# Altium PCB CL-HC-M-V2.2.PcbDoc (part 13 of 18)
Units mil, origin at the board's own origin, x right, y up, seen from the top; angles counter-clockwise.
Board outline 27559.06 x 27559.06 mil, 2 copper layers (TopLayer, BottomLayer); 684 components, 528 nets, 2380 pads, 1851 vias.
Unrouted connection lines stored in the file: 1268.
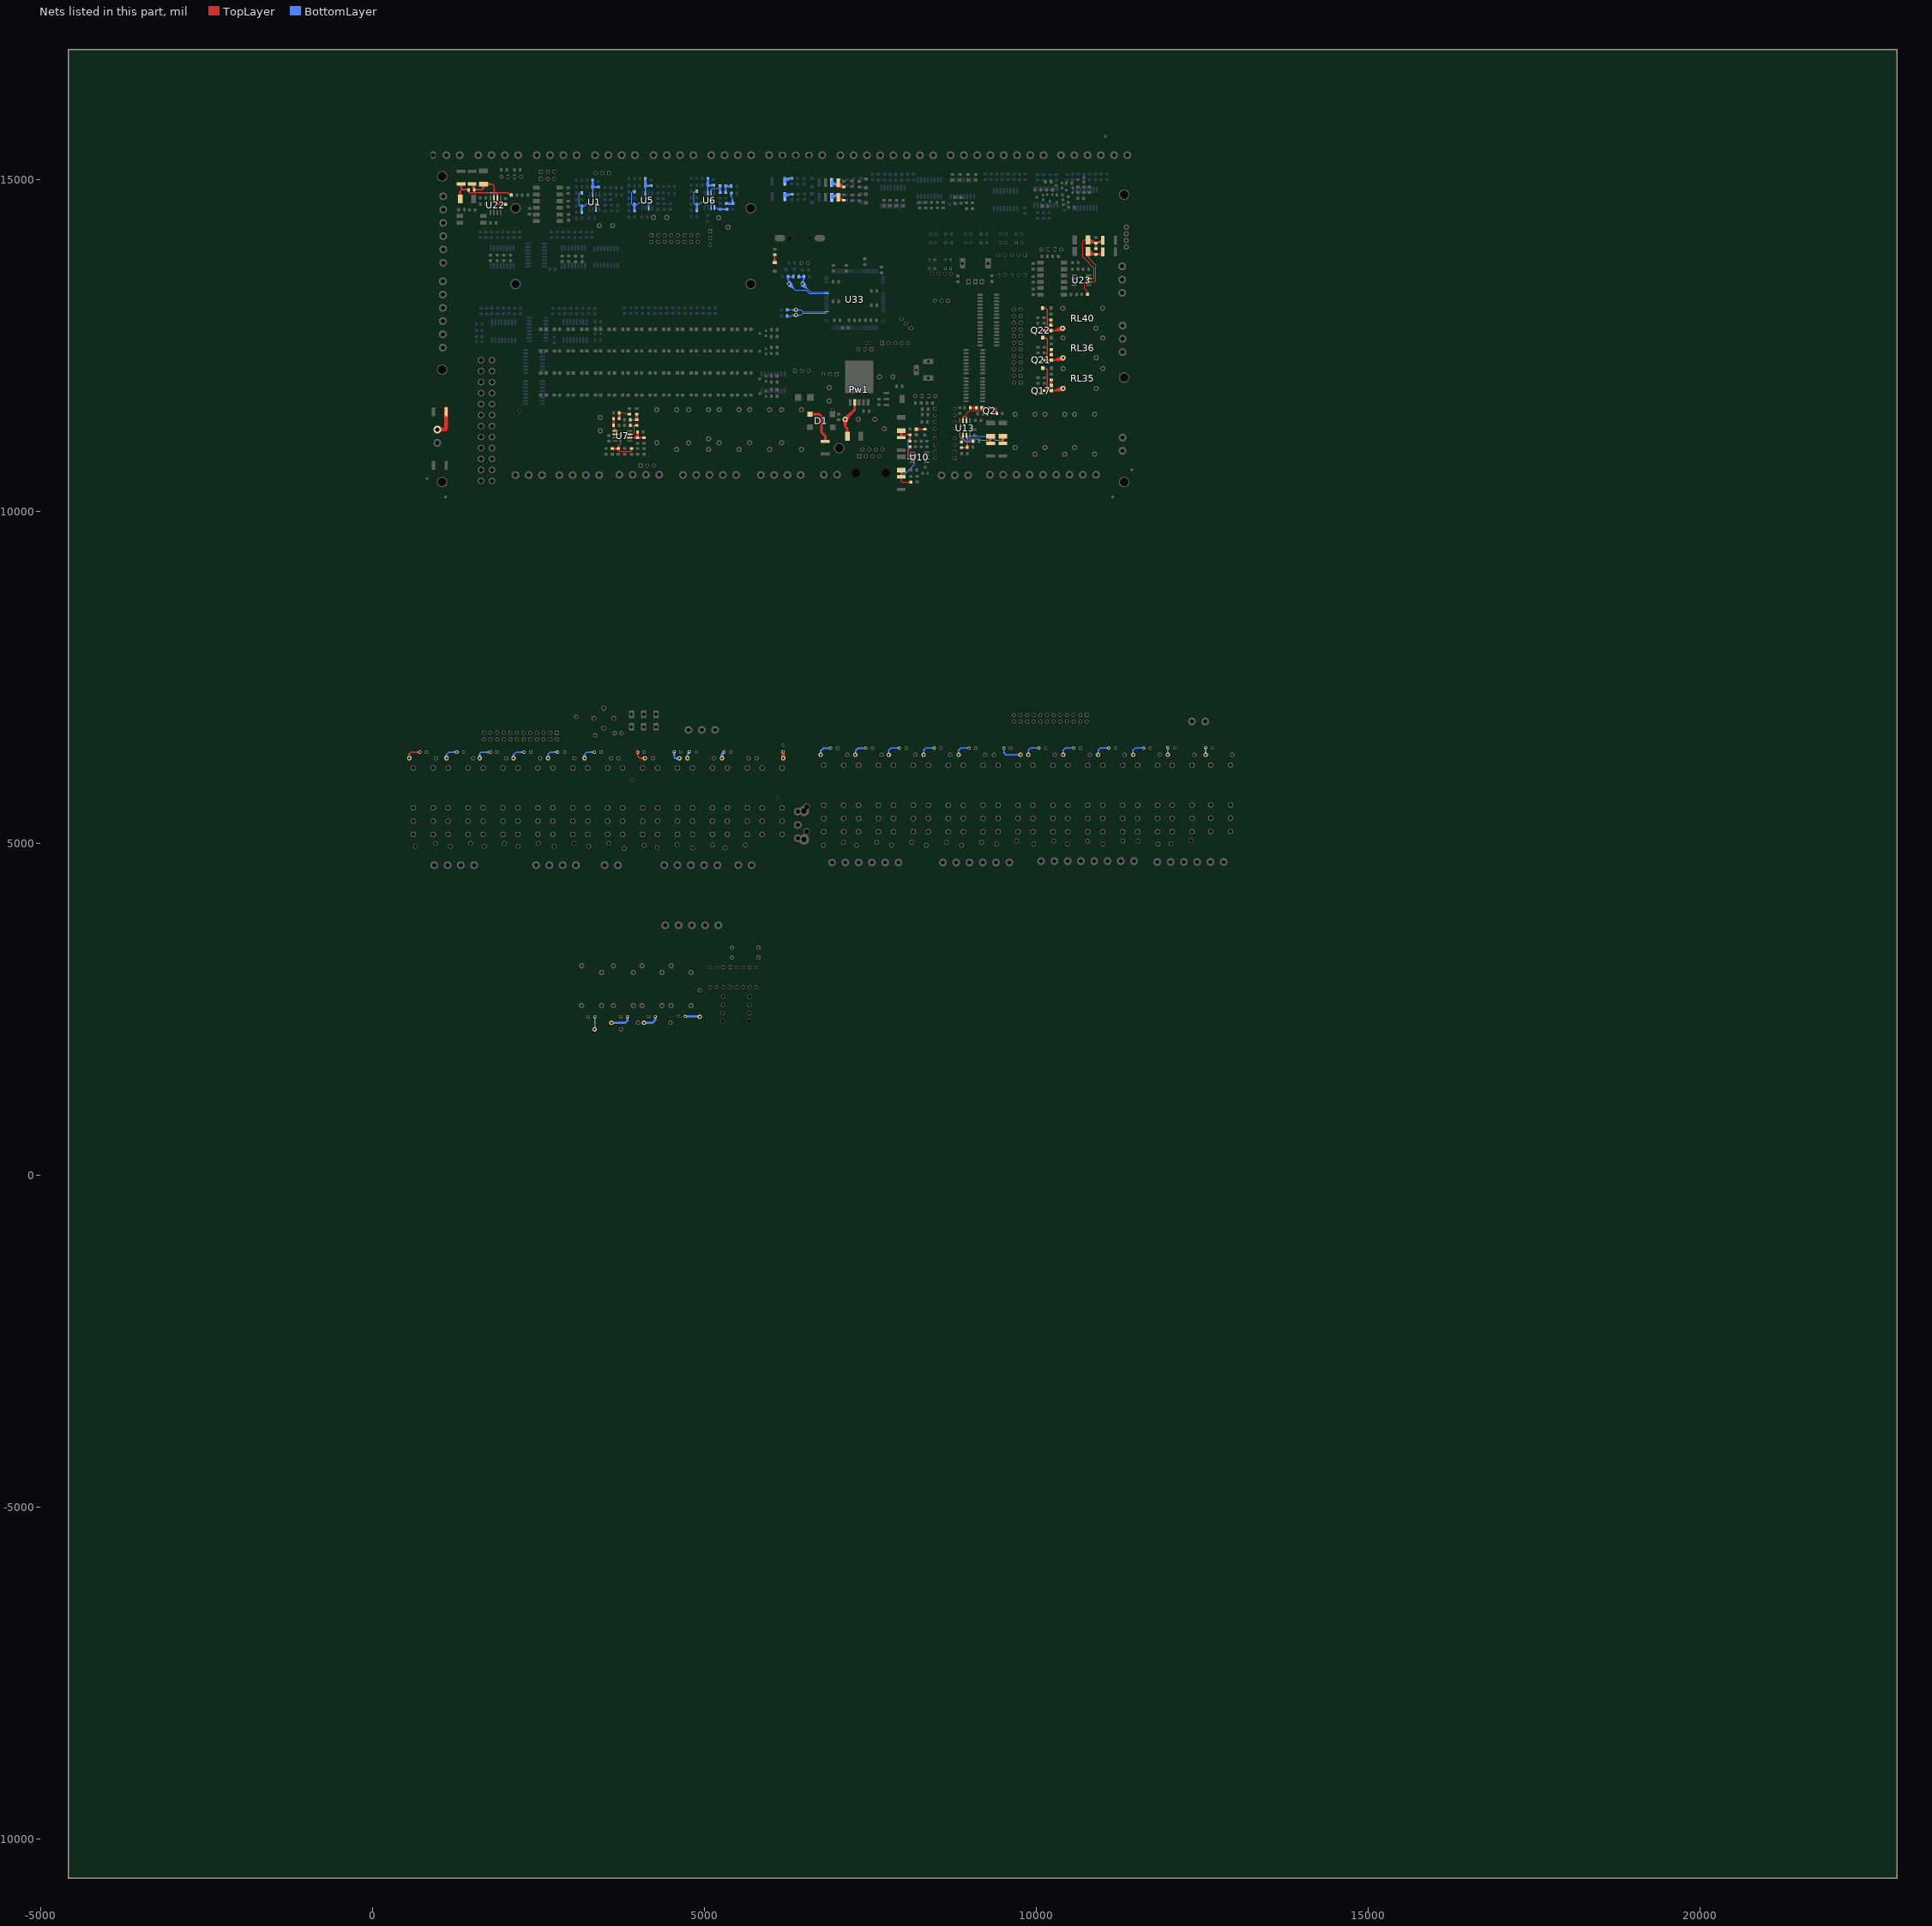
[diagram p13: the nets of this part, all layers, seen from the top]

## Via types
v1: diameter 25, hole 15, TopLayer to BottomLayer, tented both sides, 1813 vias
v2: diameter 20, hole 12, TopLayer to BottomLayer, tented both sides, 24 vias
v3: diameter 25, hole 15, TopLayer to BottomLayer, 13 vias
v4: diameter 40, hole 24, TopLayer to BottomLayer, tented both sides, 1 vias

## Nets (pads, with @x,y where several pads share a name; then routed paths per layer and width w, separated by ;. In a path a pad name is that pad's centre, name@x,y a point inside that pad or via, vN(x,y) a via of type N, cw(c..) or ccw(c..) an arc to the next point about the centre after c; other vN are vias at no path point) (continued)
NetC12_1: C12.1 R111.2 R117.1 U1.2 | length 2902.1
  BottomLayer w15: R117.1@3305.25,14895.03 3309.8,14961.09 ; R117.1@3305.3,14884.15 3317.74,14820.36 ; C12.1@3305.3,14984.15 3317.74,14920.36 ; R117.1@3305.53,14898.02 3325.69,14961.09 ; 3310.05,14859.8 U1.2@3317.74,14801.68 ; U1.2@3317.74,14773.68 R117.1@3317.74,14890.36 ; C12.1@3317.74,14985.36 3317.74,14920.36 ; C12.1@3317.74,14990.36 R117.1@3317.74,14890.36 ; R117.1@3318.03,14872.86 R111.2@3382.71,14880.61 ; R117.1@3318.03,14907.85 R111.2@3382.71,14900.1 ; R117.1@3319.84,14883.03 R111.2@3382.71,14900.1 ; R117.1@3319.84,14897.68 R111.2@3382.71,14880.61 ; 3325.43,14859.8 U1.2@3317.74,14801.68 ; R117.1@3329.95,14898.02 3309.8,14961.09 ; R117.1@3330.18,14884.15 3317.74,14820.36 ; C12.1@3330.18,14984.15 3317.74,14920.36 ; R117.1@3330.24,14895.03 3325.69,14961.09 ; R111.2@3396.54,14877.91 R117.1@3332.74,14890.36 ; R111.2@3396.54,14902.8 R117.1@3332.74,14890.36 ; R111.2@3397.74,14890.36 R117.1@3332.74,14890.36 ; R111.2@3402.74,14890.36 R117.1@3317.74,14890.36 ; R117.1@3305.64,14898.48 3317.74,14920.36 ; R117.1@3305.64,14898.48 3317.74,14920.36 ; R117.1@3305.64,14898.48 3317.74,14920.36 ; 3309.8,14961.09 R117.1@3317.74,14895.36 ; U1.2@3317.74,14801.68 3317.74,14858.68 U1.2@3317.74,14801.68 ; U1.2@3317.74,14801.68 3317.74,14820.36 ; U1.2@3317.74,14801.68 3317.74,14820.36 ; U1.2@3317.74,14801.68 3317.74,14820.36 ; 3317.74,14820.36 3317.74,14885.36 R111.2@3382.71,14880.61 ; R117.1@3317.74,14890.36 R111.2@3382.74,14890.36 ; R117.1@3317.74,14895.36 3317.74,14960.36 ; R117.1@3317.74,14895.36 3325.69,14961.09 ; R117.1@3317.74,14895.36 3317.74,14920.36 ; R117.1@3317.74,14895.36 3317.74,14920.36 ; R117.1@3317.74,14895.36 3317.74,14960.36 ; R117.1@3317.74,14895.36 3317.74,14920.36 ; R117.1@3317.74,14895.36 R111.2@3382.71,14900.1 ; 3317.74,14920.36 R117.1@3329.84,14898.48 ; 3317.74,14920.36 R117.1@3329.84,14898.48 ; 3317.74,14920.36 R117.1@3329.84,14898.48 ; 3317.74,14960.36 3305.3,14896.56 3317.74,14960.36 ; 3317.74,14960.36 3330.18,14896.56 3317.74,14960.36 ; R111.2@3382.74,14890.36 3318.94,14902.8 R111.2@3382.74,14890.36 ; R111.2@3382.74,14890.36 3318.94,14877.91 R111.2@3382.74,14890.36
NetC16_1: C16.1 R112.2 R115.1 U1.6 | length 2051.5
  TopLayer w15: v1(3270.63,14634.14) v1(3366.23,14634.14)
  BottomLayer w15: R115.1@3140.26,14598.73 C16.1@3143.18,14532.43 ; C16.1@3140.3,14517.68 R115.1@3152.74,14581.48 ; R115.1@3140.6,14595.14 C16.1@3162.31,14532.43 ; R115.1@3150.05,14590.89 3123.75,14603.1 ; R115.1@3150.05,14615.31 3123.75,14603.1 ; R112.2@3150.02,14788.16 3124.05,14800.36 ; R112.2@3150.02,14812.56 3124.05,14800.36 ; C16.1@3152.74,14511.48 R115.1@3152.74,14603.1 ; C16.1@3152.74,14516.48 R115.1@3152.74,14581.48 ; R112.2@3152.74,14800.36 3124.05,14800.36 ; R115.1@3154.66,14590.75 3193.41,14603.1 ; R115.1@3154.66,14615.45 3193.41,14603.1 ; R115.1@3164.89,14595.14 C16.1@3143.18,14532.43 ; C16.1@3165.18,14517.68 R115.1@3152.74,14581.48 ; R115.1@3165.23,14598.73 C16.1@3162.31,14532.43 ; U1.6@3367.74,14553.68 v1@3367.74,14632.63 ; U1.6@3367.74,14576.56 v1(3366.23,14634.14) ; 3123.75,14603.1 3111.31,14615.54 3111.31,14787.62 3124.05,14800.36 ; 3123.75,14603.1 R115.1@3152.74,14603.1 ; C16.1@3143.18,14532.43 R115.1@3152.74,14598.1 ; C16.1@3152.74,14533.1 3165.18,14596.9 C16.1@3152.74,14533.1 ; C16.1@3152.74,14533.1 3140.3,14596.9 C16.1@3152.74,14533.1 ; C16.1@3152.74,14533.1 R115.1@3152.74,14598.1 ; C16.1@3152.74,14533.1 R115.1@3152.74,14598.1 ; R115.1@3152.74,14598.1 C16.1@3162.31,14532.43 ; R115.1@3152.74,14603.1 3193.41,14603.1 ; 3193.41,14603.1 3224.45,14634.14 ; 3224.45,14634.14 v1(3270.63,14634.14) 3224.45,14634.14 ; v1(3366.23,14634.14) v1@3367.74,14632.63 ; v1(3366.23,14634.14) 3367.74,14581.68 v1@3367.74,14632.63
NetC17_1: C17.1 R113.2 R118.1 U5.2 | length 2902.1
  BottomLayer w15: R118.1@4098.66,14915.89 4103.21,14981.95 ; R118.1@4098.71,14905.01 4111.15,14841.22 ; C17.1@4098.71,15005.01 4111.15,14941.22 ; R118.1@4098.94,14918.88 4119.1,14981.95 ; 4103.46,14880.66 U5.2@4111.15,14822.54 ; U5.2@4111.15,14794.54 R118.1@4111.15,14911.22 ; C17.1@4111.15,15006.22 4111.15,14941.22 ; C17.1@4111.15,15011.22 R118.1@4111.15,14911.22 ; R118.1@4111.44,14893.72 R113.2@4176.13,14901.47 ; R118.1@4111.44,14928.71 R113.2@4176.13,14920.96 ; R118.1@4113.26,14903.89 R113.2@4176.13,14920.96 ; R118.1@4113.26,14918.54 R113.2@4176.13,14901.47 ; 4118.85,14880.66 U5.2@4111.15,14822.54 ; R118.1@4123.37,14918.88 4103.21,14981.95 ; R118.1@4123.6,14905.01 4111.15,14841.22 ; C17.1@4123.6,15005.01 4111.15,14941.22 ; R118.1@4123.65,14915.89 4119.1,14981.95 ; R113.2@4189.95,14898.77 R118.1@4126.15,14911.22 ; R113.2@4189.95,14923.66 R118.1@4126.15,14911.22 ; R113.2@4191.15,14911.22 R118.1@4126.15,14911.22 ; R113.2@4196.15,14911.22 R118.1@4111.15,14911.22 ; R118.1@4099.05,14919.34 4111.15,14941.22 ; R118.1@4099.05,14919.34 4111.15,14941.22 ; R118.1@4099.05,14919.34 4111.15,14941.22 ; 4103.21,14981.95 R118.1@4111.15,14916.22 ; U5.2@4111.15,14822.54 4111.15,14879.54 U5.2@4111.15,14822.54 ; U5.2@4111.15,14822.54 4111.15,14841.22 ; U5.2@4111.15,14822.54 4111.15,14841.22 ; U5.2@4111.15,14822.54 4111.15,14841.22 ; 4111.15,14841.22 4111.15,14906.22 R113.2@4176.13,14901.47 ; R118.1@4111.15,14911.22 R113.2@4176.15,14911.22 ; R118.1@4111.15,14916.22 4111.15,14981.22 ; R118.1@4111.15,14916.22 4119.1,14981.95 ; R118.1@4111.15,14916.22 4111.15,14941.22 ; R118.1@4111.15,14916.22 4111.15,14941.22 ; R118.1@4111.15,14916.22 4111.15,14981.22 ; R118.1@4111.15,14916.22 4111.15,14941.22 ; R118.1@4111.15,14916.22 R113.2@4176.13,14920.96 ; 4111.15,14941.22 R118.1@4123.26,14919.34 ; 4111.15,14941.22 R118.1@4123.26,14919.34 ; 4111.15,14941.22 R118.1@4123.26,14919.34 ; 4111.15,14981.22 4098.71,14917.42 4111.15,14981.22 ; 4111.15,14981.22 4123.6,14917.42 4111.15,14981.22 ; R113.2@4176.15,14911.22 4112.36,14923.66 R113.2@4176.15,14911.22 ; R113.2@4176.15,14911.22 4112.36,14898.77 R113.2@4176.15,14911.22
NetC18_1: C18.1 R114.2 R116.1 U5.6 | length 2051.5
  TopLayer w15: v1(4064.05,14655) v1(4159.64,14655)
  BottomLayer w15: R116.1@3933.67,14619.59 C18.1@3936.59,14553.29 ; C18.1@3933.71,14538.54 R116.1@3946.15,14602.34 ; R116.1@3934.01,14616 C18.1@3955.72,14553.29 ; R114.2@3943.43,14809.02 3917.46,14821.22 ; R114.2@3943.43,14833.42 3917.46,14821.22 ; R116.1@3943.46,14611.75 3917.16,14623.96 ; R116.1@3943.46,14636.17 3917.16,14623.96 ; C18.1@3946.15,14532.34 R116.1@3946.15,14623.96 ; C18.1@3946.15,14537.34 R116.1@3946.15,14602.34 ; R114.2@3946.15,14821.22 3917.46,14821.22 ; R116.1@3948.07,14611.61 3986.82,14623.96 ; R116.1@3948.07,14636.31 3986.82,14623.96 ; R116.1@3958.3,14616 C18.1@3936.59,14553.29 ; C18.1@3958.6,14538.54 R116.1@3946.15,14602.34 ; R116.1@3958.64,14619.59 C18.1@3955.72,14553.29 ; U5.6@4161.15,14574.54 v1@4161.15,14653.49 ; U5.6@4161.15,14597.42 v1(4159.64,14655) ; 3917.16,14623.96 3904.72,14636.4 3904.72,14808.48 3917.46,14821.22 ; 3917.16,14623.96 R116.1@3946.15,14623.96 ; C18.1@3936.59,14553.29 R116.1@3946.15,14618.96 ; C18.1@3946.15,14553.96 3958.6,14617.76 C18.1@3946.15,14553.96 ; C18.1@3946.15,14553.96 3933.71,14617.76 C18.1@3946.15,14553.96 ; C18.1@3946.15,14553.96 R116.1@3946.15,14618.96 ; C18.1@3946.15,14553.96 R116.1@3946.15,14618.96 ; R116.1@3946.15,14618.96 C18.1@3955.72,14553.29 ; R116.1@3946.15,14623.96 3986.82,14623.96 ; 3986.82,14623.96 4017.86,14655 ; 4017.86,14655 v1(4064.05,14655) 4017.86,14655 ; v1(4159.64,14655) v1@4161.15,14653.49 ; v1(4159.64,14655) 4161.15,14602.54 v1@4161.15,14653.49
NetC25_1: C25.1 R123.2 R127.1 | length 1158.8
  BottomLayer w15: C25.1@5309.42,14807.13 5321.86,14870.93 C25.1@5334.3,14807.13 ; R127.1@5309.42,14899.73 5321.86,14835.93 ; C25.1@5321.86,14805.93 R127.1@5321.86,14905.93 R123.2@5403.28,14905.93 ; R127.1@5321.86,14910.93 R123.2@5387.1,14915.45 ; R127.1@5322.19,14888.43 R123.2@5387.1,14896.41 ; R127.1@5322.19,14923.42 R123.2@5387.1,14915.45 ; R127.1@5323.07,14893.49 5386.86,14905.93 R127.1@5323.07,14918.37 ; R127.1@5323.92,14898.6 R123.2@5387.1,14915.45 ; R127.1@5323.92,14913.26 R123.2@5387.1,14896.41 ; R127.1@5334.31,14899.73 5321.86,14835.93 ; R123.2@5402.08,14893.49 5338.28,14905.93 R123.2@5402.08,14918.37 ; 5321.86,14835.93 5321.86,14900.93 R123.2@5387.1,14896.41
NetC26_1: C26.1 R124.2 R128.1 | length 1508.7
  BottomLayer w15: R128.1@5336.86,14641.78 C26.1@5426.86,14641.78 5426.86,14720.93 5406.25,14741.54 ; R128.1@5341.18,14629.3 C26.1@5407.14,14631.97 ; R128.1@5341.18,14654.26 C26.1@5407.14,14651.58 ; R128.1@5344.88,14629.65 C26.1@5407.14,14651.58 ; R128.1@5344.88,14653.91 C26.1@5407.14,14631.97 ; R124.2@5393.85,14788.51 5406.25,14741.54 ; R124.2@5406.25,14790.12 5406.25,14741.54 ; R124.2@5406.25,14795.12 5406.25,14741.54 ; C26.1@5414.42,14642.98 5426.86,14706.78 C26.1@5439.3,14642.98 ; R124.2@5418.65,14788.51 5406.25,14741.54 ; C26.1@5420.66,14629.34 R128.1@5356.86,14641.78 ; C26.1@5420.66,14654.22 R128.1@5356.86,14641.78 ; C26.1@5421.86,14641.78 R128.1@5356.86,14641.78 ; R128.1@5341.86,14641.78 C26.1@5406.86,14641.78 ; R128.1@5341.86,14641.78 C26.1@5407.14,14651.58 ; R128.1@5341.86,14641.78 C26.1@5406.86,14641.78 ; R128.1@5341.86,14641.78 C26.1@5407.14,14631.97 ; C26.1@5406.86,14641.78 5343.07,14654.22 C26.1@5406.86,14641.78 ; C26.1@5406.86,14641.78 5343.07,14629.34 C26.1@5406.86,14641.78
NetC27_1: C27.1 R125.2 R129.1 | length 1423.4
  TopLayer w15: C27.1@3881.65,11383.14 R129.1@3981.65,11383.14 ; C27.1@3882.85,11370.69 3946.65,11383.14 C27.1@3882.85,11395.58 ; R129.1@3964.15,11383.3 R125.2@3971.23,11448.86 ; R125.2@3967.84,11464.48 R129.1@3981.65,11400.92 ; R129.1@3969.19,11384.14 R125.2@3980.63,11448.15 ; R129.1@3969.21,11384.34 3981.65,11448.14 R129.1@3994.09,11384.34 ; R129.1@3974.28,11384.94 R125.2@3989.9,11448.71 ; R129.1@3975.45,11370.69 3911.65,11383.14 ; R129.1@3975.45,11395.58 3911.65,11383.14 ; R129.1@3986.65,11383.14 R125.2@3989.9,11448.71 ; R129.1@3988.95,11385.34 R125.2@3971.23,11448.86 ; R125.2@3992.72,11465.02 R129.1@3981.65,11400.92 ; R129.1@3994.07,11384.53 R125.2@3980.63,11448.15 ; R129.1@3999.14,11383.71 R125.2@3989.9,11448.71 ; 3911.65,11383.14 3976.65,11383.14 R125.2@3971.23,11448.86 ; R125.2@3980.63,11448.15 R129.1@3981.65,11383.14 ; R129.1@3981.65,11383.14 3981.65,11464.56 R125.2@3980.25,11465.95 R129.1@3981.65,11400.92
NetC28_1: C28.1 R126.2 R130.1 | length 1508.7
  TopLayer w15: R130.1@3705.02,11402.46 C28.1@3707.69,11468.42 ; C28.1@3705.06,11481.93 R130.1@3717.5,11418.14 ; R130.1@3705.37,11406.16 C28.1@3727.31,11468.42 ; R130.1@3717.5,11398.14 C28.1@3717.5,11488.14 3796.65,11488.14 3817.26,11467.52 ; C28.1@3717.5,11483.14 R130.1@3717.5,11418.14 ; C28.1@3718.7,11475.69 3782.5,11488.14 C28.1@3718.7,11500.58 ; R130.1@3729.63,11406.16 C28.1@3707.69,11468.42 ; C28.1@3729.94,11481.93 R130.1@3717.5,11418.14 ; R130.1@3729.98,11402.46 C28.1@3727.31,11468.42 ; R126.2@3864.24,11455.13 3817.26,11467.52 ; R126.2@3864.24,11479.92 3817.26,11467.52 ; R126.2@3865.84,11467.52 3817.26,11467.52 ; R126.2@3870.84,11467.52 3817.26,11467.52 ; C28.1@3707.69,11468.42 R130.1@3717.5,11403.14 ; R130.1@3717.5,11403.14 C28.1@3717.5,11468.14 ; R130.1@3717.5,11403.14 C28.1@3727.31,11468.42 ; R130.1@3717.5,11403.14 C28.1@3717.5,11468.14 ; C28.1@3717.5,11468.14 3705.06,11404.34 C28.1@3717.5,11468.14 ; C28.1@3717.5,11468.14 3729.94,11404.34 C28.1@3717.5,11468.14
NetC29_1: C29.1 R127.2 U6.3 | length 539
  BottomLayer w15: U6.3@5101.86,14799.25 5101.86,14851.35 ; U6.3@5101.86,14827.25 5101.86,14851.35 ; C29.1@5224.42,14807.13 5236.86,14870.93 C29.1@5249.31,14807.13 ; R127.2@5224.64,14898.31 5236.86,14871.07 ; C29.1@5236.86,14805.93 5236.86,14871.07 ; R127.2@5236.86,14900.93 5236.86,14871.07 ; R127.2@5236.86,14905.93 5236.86,14871.07 ; R127.2@5249.09,14898.31 5236.86,14871.07 ; 5101.86,14851.35 5121.58,14871.07 5236.86,14871.07
NetC30_1: C30.1 R128.2 U6.5 | length 1501.7
  BottomLayer w15: U6.5@5151.86,14579.25 5176.02,14579.25 5198.49,14556.78 ; C30.1@5229.52,14544.5 5198.49,14556.78 ; C30.1@5229.52,14569.06 5198.49,14556.78 ; C30.1@5231.86,14556.78 5198.49,14556.78 ; C30.1@5241.86,14556.78 5306.86,14556.78 ; C30.1@5243.07,14544.34 5306.86,14556.78 ; C30.1@5243.07,14569.22 5306.86,14556.78 ; R128.2@5329.2,14544.56 5266.13,14564.72 ; R128.2@5329.2,14568.99 5266.13,14548.83 ; R128.2@5332.18,14544.28 5266.13,14548.83 ; R128.2@5332.18,14569.27 5266.13,14564.72 ; R128.2@5336.86,14556.78 C30.1@5236.86,14556.78 5198.49,14556.78 ; 5266.13,14548.83 R128.2@5331.86,14556.78 ; 5266.13,14564.72 R128.2@5331.86,14556.78 ; 5266.86,14556.78 5330.66,14544.34 5266.86,14556.78 ; 5266.86,14556.78 5330.66,14569.22 5266.86,14556.78 ; 5266.86,14556.78 R128.2@5331.86,14556.78 ; 5266.86,14556.78 R128.2@5331.86,14556.78 ; 5306.86,14556.78 R128.2@5328.74,14544.67 ; 5306.86,14556.78 R128.2@5328.74,14568.88 ; 5306.86,14556.78 R128.2@5331.86,14556.78 ; 5306.86,14556.78 R128.2@5328.74,14544.67 ; 5306.86,14556.78 R128.2@5328.74,14568.88 ; 5306.86,14556.78 R128.2@5331.86,14556.78 ; 5306.86,14556.78 R128.2@5328.74,14544.67 ; 5306.86,14556.78 R128.2@5328.74,14568.88 ; 5306.86,14556.78 R128.2@5331.86,14556.78
NetC31_1: C31.1 R129.2 U7.3 | length 539
  TopLayer w15: U7.3@3874.97,11163.14 3927.08,11163.14 ; C31.1@3881.65,11298.14 3946.79,11298.14 ; C31.1@3882.85,11285.69 3946.65,11298.14 C31.1@3882.85,11310.58 ; U7.3@3902.97,11163.14 3927.08,11163.14 ; R129.2@3974.03,11285.91 3946.79,11298.14 ; R129.2@3974.03,11310.36 3946.79,11298.14 ; R129.2@3976.65,11298.14 3946.79,11298.14 ; R129.2@3981.65,11298.14 3946.79,11298.14 ; 3927.08,11163.14 3946.79,11182.85 3946.79,11298.14
NetC32_1: C32.1 R130.2 U7.5 | length 1501.7
  TopLayer w15: R130.2@3620,11393.46 3624.55,11327.4 ; C32.1@3620.06,11304.34 3632.5,11368.14 ; C32.1@3620.22,11290.8 3632.5,11259.76 ; R130.2@3620.29,11390.47 3640.44,11327.4 ; C32.1@3632.5,11293.14 3632.5,11259.76 ; C32.1@3632.5,11303.14 3632.5,11368.14 ; R130.2@3632.5,11398.14 C32.1@3632.5,11298.14 3632.5,11259.76 ; R130.2@3644.71,11390.47 3624.55,11327.4 ; C32.1@3644.78,11290.8 3632.5,11259.76 ; C32.1@3644.94,11304.34 3632.5,11368.14 ; R130.2@3645,11393.46 3640.44,11327.4 ; U7.5@3654.97,11213.14 3654.97,11237.29 3632.5,11259.76 ; R130.2@3620.4,11390.01 3632.5,11368.14 ; R130.2@3620.4,11390.01 3632.5,11368.14 ; R130.2@3620.4,11390.01 3632.5,11368.14 ; 3624.55,11327.4 R130.2@3632.5,11393.14 ; 3632.5,11328.14 3644.94,11391.93 3632.5,11328.14 ; 3632.5,11328.14 3620.06,11391.93 3632.5,11328.14 ; 3632.5,11328.14 R130.2@3632.5,11393.14 ; 3632.5,11328.14 R130.2@3632.5,11393.14 ; 3632.5,11368.14 R130.2@3644.6,11390.01 ; 3632.5,11368.14 R130.2@3632.5,11393.14 ; 3632.5,11368.14 R130.2@3644.6,11390.01 ; 3632.5,11368.14 R130.2@3632.5,11393.14 ; 3632.5,11368.14 R130.2@3644.6,11390.01 ; 3632.5,11368.14 R130.2@3632.5,11393.14 ; R130.2@3632.5,11393.14 3640.44,11327.4
NetC33_1: C33.1 R131.2 R137.1 U6.2 | length 2902.1
  BottomLayer w15: R137.1@5039.37,14920.61 5043.92,14986.67 ; R137.1@5039.42,14909.73 5051.86,14845.93 ; C33.1@5039.42,15009.73 5051.86,14945.93 ; R137.1@5039.65,14923.59 5059.81,14986.67 ; 5044.17,14885.37 U6.2@5051.86,14827.25 ; U6.2@5051.86,14799.25 R137.1@5051.86,14915.93 ; C33.1@5051.86,15010.93 5051.86,14945.93 ; C33.1@5051.86,15015.93 R137.1@5051.86,14915.93 ; R137.1@5052.15,14898.43 R131.2@5116.84,14906.18 ; R137.1@5052.15,14933.42 R131.2@5116.84,14925.67 ; R137.1@5053.97,14908.61 R131.2@5116.84,14925.67 ; R137.1@5053.97,14923.25 R131.2@5116.84,14906.18 ; 5059.55,14885.37 U6.2@5051.86,14827.25 ; R137.1@5064.08,14923.59 5043.92,14986.67 ; R137.1@5064.31,14909.73 5051.86,14845.93 ; C33.1@5064.31,15009.73 5051.86,14945.93 ; R137.1@5064.36,14920.61 5059.81,14986.67 ; R131.2@5130.66,14903.49 R137.1@5066.86,14915.93 ; R131.2@5130.66,14928.37 R137.1@5066.86,14915.93 ; R131.2@5131.86,14915.93 R137.1@5066.86,14915.93 ; R131.2@5136.86,14915.93 R137.1@5051.86,14915.93 ; R137.1@5039.76,14924.05 5051.86,14945.93 ; R137.1@5039.76,14924.05 5051.86,14945.93 ; R137.1@5039.76,14924.05 5051.86,14945.93 ; 5043.92,14986.67 R137.1@5051.86,14920.93 ; U6.2@5051.86,14827.25 5051.86,14884.25 U6.2@5051.86,14827.25 ; U6.2@5051.86,14827.25 5051.86,14845.93 ; U6.2@5051.86,14827.25 5051.86,14845.93 ; U6.2@5051.86,14827.25 5051.86,14845.93 ; 5051.86,14845.93 5051.86,14910.93 R131.2@5116.84,14906.18 ; R137.1@5051.86,14915.93 R131.2@5116.86,14915.93 ; R137.1@5051.86,14920.93 R131.2@5116.84,14925.67 ; R137.1@5051.86,14920.93 5051.86,14985.93 ; R137.1@5051.86,14920.93 5059.81,14986.67 ; R137.1@5051.86,14920.93 5051.86,14945.93 ; R137.1@5051.86,14920.93 5051.86,14945.93 ; R137.1@5051.86,14920.93 5051.86,14985.93 ; R137.1@5051.86,14920.93 5051.86,14945.93 ; 5051.86,14945.93 R137.1@5063.97,14924.05 ; 5051.86,14945.93 R137.1@5063.97,14924.05 ; 5051.86,14945.93 R137.1@5063.97,14924.05 ; 5051.86,14985.93 5039.42,14922.13 5051.86,14985.93 ; 5051.86,14985.93 5064.31,14922.13 5051.86,14985.93 ; R131.2@5116.86,14915.93 5053.07,14928.37 R131.2@5116.86,14915.93 ; R131.2@5116.86,14915.93 5053.07,14903.49 R131.2@5116.86,14915.93
NetC34_1: C34.1 R132.2 R135.1 U6.6 | length 2051.5
  TopLayer w15: v1(5004.76,14659.71) v1(5100.35,14659.71)
  BottomLayer w15: R135.1@4874.38,14624.3 C34.1@4877.3,14558.01 ; C34.1@4874.42,14543.25 R135.1@4886.86,14607.05 ; R135.1@4874.72,14620.71 C34.1@4896.43,14558.01 ; R132.2@4884.14,14813.73 4858.17,14825.93 ; R132.2@4884.14,14838.13 4858.17,14825.93 ; R135.1@4884.17,14616.47 4857.87,14628.67 ; R135.1@4884.17,14640.88 4857.87,14628.67 ; C34.1@4886.86,14537.05 R135.1@4886.86,14628.67 ; C34.1@4886.86,14542.05 R135.1@4886.86,14607.05 ; R132.2@4886.86,14825.93 4858.17,14825.93 ; R135.1@4888.78,14616.32 4927.53,14628.67 ; R135.1@4888.78,14641.02 4927.53,14628.67 ; R135.1@4899.01,14620.71 C34.1@4877.3,14558.01 ; C34.1@4899.31,14543.25 R135.1@4886.86,14607.05 ; R135.1@4899.35,14624.3 C34.1@4896.43,14558.01 ; U6.6@5101.86,14579.25 v1@5101.86,14658.2 ; U6.6@5101.86,14602.13 v1(5100.35,14659.71) ; 4857.87,14628.67 4845.43,14641.11 4845.43,14813.19 4858.17,14825.93 ; 4857.87,14628.67 R135.1@4886.86,14628.67 ; C34.1@4877.3,14558.01 R135.1@4886.86,14623.67 ; C34.1@4886.86,14558.67 4899.31,14622.47 C34.1@4886.86,14558.67 ; C34.1@4886.86,14558.67 4874.42,14622.47 C34.1@4886.86,14558.67 ; C34.1@4886.86,14558.67 R135.1@4886.86,14623.67 ; C34.1@4886.86,14558.67 R135.1@4886.86,14623.67 ; R135.1@4886.86,14623.67 C34.1@4896.43,14558.01 ; R135.1@4886.86,14628.67 4927.53,14628.67 ; 4927.53,14628.67 4958.57,14659.71 ; 4958.57,14659.71 v1(5004.76,14659.71) 4958.57,14659.71 ; v1(5100.35,14659.71) v1@5101.86,14658.2 ; v1(5100.35,14659.71) 5101.86,14607.25 v1@5101.86,14658.2
NetC35_1: C35.1 R133.2 R138.1 U7.2 | length 2902.1
  TopLayer w15: U7.2@3874.97,11113.14 R138.1@3991.65,11113.14 ; 3961.09,11105.44 U7.2@3902.97,11113.14 ; 3961.09,11120.83 U7.2@3902.97,11113.14 ; R138.1@3974.15,11113.43 R133.2@3981.9,11178.11 ; R133.2@3979.21,11191.93 R138.1@3991.65,11128.14 ; R138.1@3984.33,11115.24 R133.2@4001.4,11178.11 ; R138.1@3985.45,11100.69 3921.65,11113.14 ; R138.1@3985.45,11125.58 3921.65,11113.14 ; R133.2@3991.65,11193.14 R138.1@3991.65,11128.14 ; R133.2@3991.65,11198.14 R138.1@3991.65,11113.14 ; R138.1@3996.33,11100.64 4062.39,11105.19 ; R138.1@3996.33,11125.63 4062.39,11121.08 ; R138.1@3998.97,11115.24 R133.2@3981.9,11178.11 ; R138.1@3999.31,11100.92 4062.39,11121.08 ; R138.1@3999.31,11125.35 4062.39,11105.19 ; R133.2@4004.09,11191.93 R138.1@3991.65,11128.14 ; R138.1@4009.15,11113.43 R133.2@4001.4,11178.11 ; C35.1@4085.45,11100.69 4021.65,11113.14 ; C35.1@4085.45,11125.58 4021.65,11113.14 ; C35.1@4086.65,11113.14 4021.65,11113.14 ; C35.1@4091.65,11113.14 R138.1@3991.65,11113.14 ; U7.2@3902.97,11113.14 3921.65,11113.14 ; U7.2@3902.97,11113.14 3921.65,11113.14 ; U7.2@3902.97,11113.14 3959.97,11113.14 U7.2@3902.97,11113.14 ; U7.2@3902.97,11113.14 3921.65,11113.14 ; 3921.65,11113.14 3986.65,11113.14 R133.2@3981.9,11178.11 ; R138.1@3991.65,11113.14 R133.2@3991.65,11178.14 ; R133.2@3991.65,11178.14 3979.21,11114.34 R133.2@3991.65,11178.14 ; R133.2@3991.65,11178.14 4004.09,11114.34 R133.2@3991.65,11178.14 ; R138.1@3996.65,11113.14 4061.65,11113.14 ; R138.1@3996.65,11113.14 4062.39,11105.19 ; R138.1@3996.65,11113.14 4021.65,11113.14 ; R138.1@3996.65,11113.14 4062.39,11121.08 ; R138.1@3996.65,11113.14 4021.65,11113.14 ; R138.1@3996.65,11113.14 4061.65,11113.14 ; R138.1@3996.65,11113.14 4021.65,11113.14 ; R138.1@3996.65,11113.14 R133.2@4001.4,11178.11 ; R138.1@3999.77,11101.03 4021.65,11113.14 ; R138.1@3999.77,11101.03 4021.65,11113.14 ; R138.1@3999.77,11101.03 4021.65,11113.14 ; R138.1@3999.77,11125.24 4021.65,11113.14 ; R138.1@3999.77,11125.24 4021.65,11113.14 ; R138.1@3999.77,11125.24 4021.65,11113.14 ; 4061.65,11113.14 3997.85,11125.58 4061.65,11113.14 ; 4061.65,11113.14 3997.85,11100.69 4061.65,11113.14